# Altium PCB HedefProjem.PcbDoc (part 1 of 2) (continued)
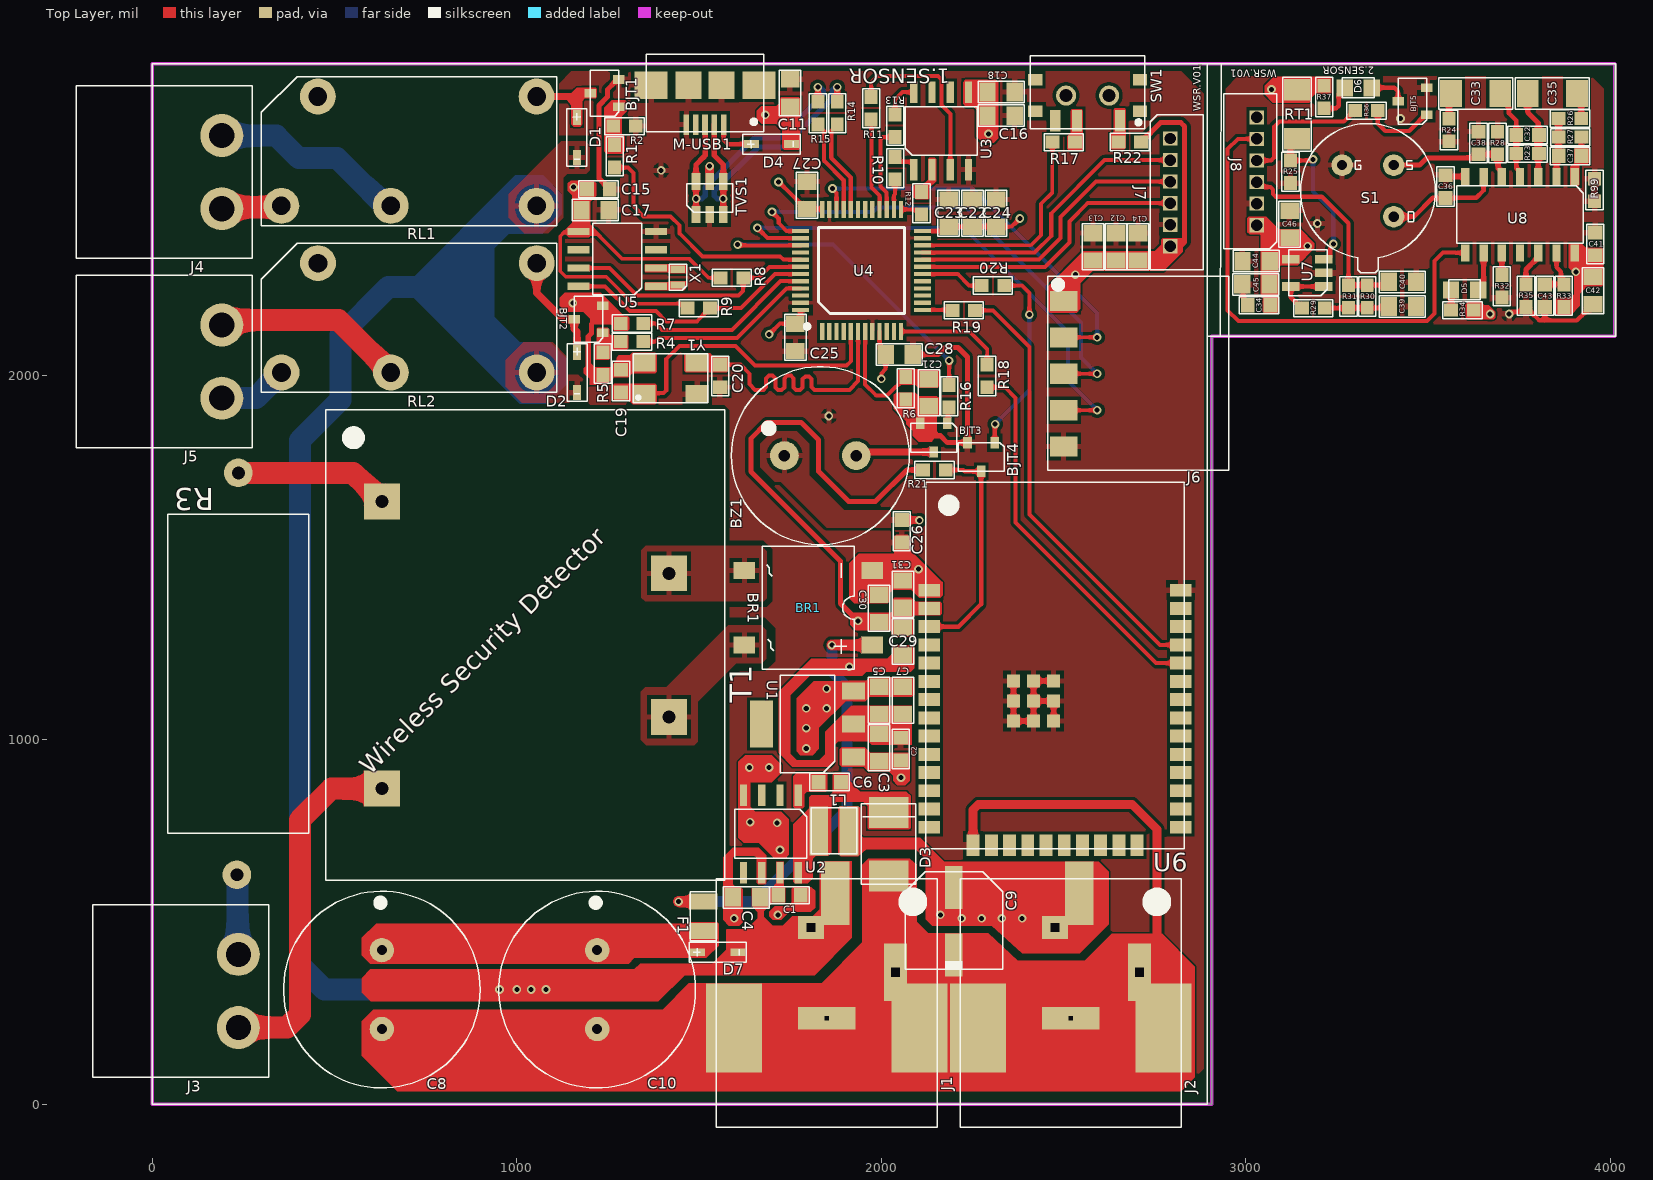
[diagram p0: Top Layer view]
## Components (designator, comment, footprint, x,y, rotation, side; value= is the part's Value field where it differs from the comment) (continued)
R6 "RC0603JR-07100RL" RES_0603 2066.93,1964.57 r0 top
R7 "RC0603JR-07100RL" RES_0603 1316,2142 r270 top
R8 "RC0603JR-074K7L" RES_0603 1590,2267 r90 top
R9 "RC0603JR-074K7L" RES_0603 1499,2184 r90 top
R10 "RC0603JR-07100RL" RES_0603 2038,2568 r0 top
R11 "RC0603JR-07100RL" RES_0603 1972,2732 r0 top
R12 "RC0603JR-07100RL" RES_0603 2110,2472 r0 top
R13 "RC0603JR-07100RL" RES_0603 2038,2684 r0 top
R14 "RC0603JR-0715RL" RES_0603 1879,2719 r0 top
R15 "RC0603JR-0715RL" RES_0603 1826,2719 r0 top
R16 "RC0603JR-07100RL" RES_0603 2186,1942 r180 top
R17 "RC0603JR-07100RL" RES_0603 2500.15,2639.37 r270 top
R18 "RC0603JR-07100RL" RES_0603 2290,1998 r0 top
R19 "RC0603JR-07100RL" RES_0603 2226,2178 r90 top
R20 "RC0603JR-07100RL" RES_0603 2306,2246 r270 top
R21 "RC0603FR-101KL" RES_0603 2145.67,1740.16 r270 top
R22 "RC0603JR-07100RL" RES_0603 2681,2640 r270 top
R23 "RC0603JR-07560KL" RES_0603 3772.48,2607.72 r270 top
R24 "RC0201FR-0710KL" RES_0603 3557.03,2672.58 r0 top
R25 "RC0201FR-0710KL" RES_0603 3122,2558 r0 top
R26 "RC0201FR-0710KL" RES_0603 3888.72,2704.08 r90 top
R27 "RC0603JR-07560KL" RES_0603 3889.21,2652.9 r270 top
R28 "RC0603JR-0743KL" RES_0603 3690,2637 r180 top
R29 "RC0603FR-101KL" RES_0603 3185,2184 r270 top
R30 "RC0603JR-07220KL" RES_0603 3332.68,2215.89 r0 top
R31 "RC0603JR-07220KL" RES_0603 3281.18,2215.89 r0 top
R32 "RC0603JR-070RL" RES_0603 3702,2244 r0 top
R33 "RC0603JR-07220KL" RES_0603 3872,2218 r180 top
R34 "RC0603FR-101KL" RES_0603 3593.93,2178.39 r270 top
R35 "RC0603JR-070RL" RES_0603 3768,2218 r0 top
R36 "RC0603FR-101KL" RES_0603 3330.65,2725.73 r270 top
R37 "RC0603JR-07100RL" RES_0603 3214.51,2763.14 r0 top
R99 "RC0603JR-070RL" RES_0603 3956,2508 r0 top
RL1 "ALQ1F05" ALQ1F05 704.33,2614.57 r180 top
RL2 "ALQ1F05" ALQ1F05 704.72,2157.48 r180 top
RT1 "TFPT1206L1002FM" RES_1206 3139.7,2715.89 r180 top
S1 "LHI 878/3902" "LHI 878/3902 - PYD 1388 / 708" 3334.74,2505.42 r0 top
SW1 "EG1215AA" EG1215AA 2565.63,2754.32 r0 top
T1 "BV302S12010-ZU" BV302S 1023.62,1259.84 r270 top
TVS1 "USBLC6-2SC6" SOT23-6L 1529,2485.72 r0 top
U1 "AP7361-33E-13" SOT223 1797.24,1043.31 r90 top
U2 "LM2675MX-12/NOPB" SOIC8 1696.85,742.13 r180 top
U3 "MAX6662MSA+T" SOIC8 2164,2670 r0 top
U4 "STM32L151C8T6A" LQFP48 1945.86,2287.31 r0 top
U5 "M41T0M6F" SOIC8 1275.59,2318.9 r90 top
U6 "ESP32-WROOM-32U (8MB)" ESP32_32U 2476.38,1060.73 r0 top
U7 "OPA314AIDBVR" SOT23-5 3168.28,2280.6 r90 top
U8 "NCS36000DRG" SOIC14 3751.91,2440.3 r180 top
X1 "ABS05-32.768KHZ-T" ABS05 1442,2269 r0 top
Y1 "ECS-160-20-30B-TR" SMD5032 1422,1992 r0 top

## Footprints (in the part's own frame and the unit in brackets; to place one, negate y for a bottom-side part, rotate by r counter-clockwise, add the part's x,y. Pads: shape width x height; smd on the part's side, far side on the other; paste and mask are expansions set on the pad)
1206(3216) [mm]
  rect 1.1x2 smd mask+0.05: 1(-1.025,0) 2(1.025,0)
  silkscreen extent -1.7,-0.9 1.7,0.9, body extent -1.55,-0.77 1.55,0.77, height 0.56
64800611622 [mm]
  rect 1x1 hole 0.8 mask+0.05: 1(-3.75,0) 2(-2.25,0) 3(-0.75,0) 4(0.75,0) 5(2.25,0) 6(3.75,0)
  silkscreen extent -5.4,-1.4 5.4,2.3, body extent -5.25,-1.3 5.25,2.2, height 4.75
ABS05 [mm]
  rect 1x0.5 smd mask+0.05: 1(0,-0.55) 2(0,0.55)
  silkscreen extent -0.6,-0.9 0.6,0.9, body extent -0.5,-0.8 0.5,0.8, height 0.5
ALQ1F05 [mm]
  round 2.5 hole 1.3 mask+0.05: 1(6.35,-3.81) 2(1.27,3.81) 3(8.89,3.81) 4(-8.89,3.81) 5(-8.89,-3.81)
  silkscreen extent -10.3,-5.2 10.3,5.2, body extent -10,-5 10,5, height 15.7
BV302S [mm]
  rect 2.5x2.5 hole 0.9 mask+0.05: 1(-10,-10) 5(10,-10) 7(5,10) 9(-5,10)
  silkscreen extent -16.4,-13.9 16.4,13.9, body extent -16.25,-13.75 16.25,13.75, height 22.2
CAP_0603 [mm]
  rect 1x0.965 smd mask+0.05: 1(0,-0.787) 2(0,0.788)
  silkscreen extent -0.6,-1.37 0.61,1.37, body extent -0.51,-1.05 0.52,1.05, height 0.85
CAP_0805 [mm]
  rect 1.3x1.14 smd mask+0.05: 1(0,-0.95) 2(0,0.95)
  silkscreen extent -0.75,-1.6 0.75,1.6, body extent -0.68,-1.3 0.68,1.3, height 1
CAP_1206 [mm]
  rect 1.9x1.52 smd mask+0.05: 1(0,-1.71) 2(0,1.71)
  silkscreen extent -1.1,-2.57 1.1,2.57, body extent -0.98,-1.97 0.98,1.97, height 1.4
CMI-1295IC [mm]
  round 2 hole 0.8 mask+0.05: 1(0,2.5) 2(0,-2.5)
  silkscreen extent -6.2,-6.2 6.2,6.2, body extent -6.1,-6.1 6.1,6.1, height 9.8
DB105STR [mm]
  rect 1.2x1.5 smd mask+0.05: 1(2.6,-4.45) 2(2.6,4.45) 3(-2.6,4.45) 4(-2.6,-4.45)
  silkscreen extent -4.3,-3.2 4.3,3.2, body extent -4.16,-5.2 4.16,5.2, height 2.76
EEV686M035A9HAA [mm]
  rect 3x1.2 smd mask+0.05: 1(2.3,0) 2(-2.4,0)
  silkscreen extent -3.4,-3.4 3.4,3.4, body extent -3.5,-3.31 3.5,3.3, height 8.9
EG1215AA [mm]
  rect 0.7x1.5 smd mask+0.05: 1(2.25,-1.425) 2(-0.75,-1.425) 3(-2.25,-1.425)
  rect 1x0.8 smd mask+0.05: 4(-3.65,-0.775) 5(-3.65,1.425) 6(3.65,1.425) 7(3.65,-0.775)
  round 1.4 hole 0.92 mask+0.05: a(-1.5,0.325) a(1.5,0.325)
  silkscreen extent -4,-2 4,3.1, body extent -3.85,-1.87 3.85,3.03, height 1.4
ESH477M050AH4AA [mm]
  round 1.7 hole 0.7 mask+0.05: 1(0,-2.75) 2(0,2.75)
  silkscreen extent -6.85,-6.85 6.85,6.85, body extent -6.75,-6.75 6.75,6.75, height 22.11
ESP32_32U [mm]
  rect 1.5x0.9 smd mask+0.05: 1(-8.75,8.877) 2(-8.75,7.607) 3(-8.75,6.337) 4(-8.75,5.067) 5(-8.75,3.797) 6(-8.75,2.527) 7(-8.75,1.257) 8(-8.75,-0.013) 9(-8.75,-1.283) 10(-8.75,-2.553) 11(-8.75,-3.823) 12(-8.75,-5.093) 13(-8.75,-6.363) 14(-8.75,-7.633) 25(8.75,-7.633) 26(8.75,-6.363) 27(8.75,-5.093) 28(8.75,-3.823) 29(8.75,-2.553) 30(8.75,-1.283) 31(8.75,-0.013) 32(8.75,1.257) 33(8.75,2.527) 34(8.75,3.797) 35(8.75,5.067) 36(8.75,6.337) 37(8.75,7.607) 38(8.75,8.877)
  rect 0.9x1.5 smd mask+0.05: 15(-5.71,-8.877) 16(-4.44,-8.877) 17(-3.17,-8.877) 18(-1.9,-8.877) 19(-0.63,-8.877) 20(0.64,-8.877) 21(1.91,-8.877) 22(3.18,-8.877) 23(4.45,-8.877) 24(5.72,-8.877)
  rect 0.9x0.9 smd mask+0.05: 39(-2.893,-0.24) 39(-2.893,1.16) 39(-2.893,2.56) 39(-1.493,-0.24) 39(-1.493,1.16) 39(-1.493,2.56) 39(-0.093,-0.24) 39(-0.093,1.16) 39(-0.093,2.56)
  silkscreen extent -9,-9.13 9,16.4, body extent -9,-9.13 9,16.37, height 2.85
IND_1212 [mm]
  rect 1.3x3.4 smd mask+0.05: 1(-1.05,0) 2(1.05,0)
  silkscreen extent -1.6,-1.6 1.6,1.6, body extent -1.5,-1.5 1.5,1.5, height 1.6
LED_0805_GREEN [mm]
  rect 1.2x1.14 smd mask+0.05: 1(0,-0.95) 2(0,0.95)
  silkscreen extent -0.69,-1.1 0.7,1.1, body extent -0.63,-1 0.63,1, height 1.2
LED_0805_RED [mm]
  rect 1.2x1.14 smd mask+0.05: 1(0,-0.95) 2(0,0.95)
  silkscreen extent -0.7,-1.1 0.7,1.1, body extent -0.63,-1 0.63,1, height 0.8
"LHI 878/3902 - PYD 1388 / 708" [mm]
  round 1.5 hole 0.7 mask+0.05: 1(1.796,-1.796) 2(1.796,1.796) 3(-1.796,1.796)
  silkscreen extent -4.7,-5.71 4.7,4.7, body extent -4.6,-5.6 4.6,4.6, height 6
LQFP48 [mm] "7mmx7mm"
  rect 0.3x1.2 smd mask+0.05: 1(-2.75,-4.25) 2(-2.25,-4.25) 3(-1.75,-4.25) 4(-1.25,-4.25) 5(-0.75,-4.25) 6(-0.25,-4.25) 7(0.25,-4.25) 8(0.75,-4.25) 9(1.25,-4.25) 10(1.75,-4.25) 11(2.25,-4.25) 12(2.75,-4.25) 25(2.75,4.25) 26(2.25,4.25) 27(1.75,4.25) 28(1.25,4.25) 29(0.75,4.25) 30(0.25,4.25) 31(-0.25,4.25) 32(-0.75,4.25) 33(-1.25,4.25) 34(-1.75,4.25) 35(-2.25,4.25) 36(-2.75,4.25)
  rect 1.2x0.3 smd mask+0.05: 13(4.25,-2.75) 14(4.25,-2.25) 15(4.25,-1.75) 16(4.25,-1.25) 17(4.25,-0.75) 18(4.25,-0.25) 19(4.25,0.25) 20(4.25,0.75) 21(4.25,1.25) 22(4.25,1.75) 23(4.25,2.25) 24(4.25,2.75) 37(-4.25,2.75) 38(-4.25,2.25) 39(-4.25,1.75) 40(-4.25,1.25) 41(-4.25,0.75) 42(-4.25,0.25) 43(-4.25,-0.25) 44(-4.25,-0.75) 45(-4.25,-1.25) 46(-4.25,-1.75) 47(-4.25,-2.25) 48(-4.25,-2.75)
  silkscreen extent -3.95,-4.05 3,3, body extent -4.5,-4.5 4.5,4.5, height 1.49
MICRO_B_USB [mm]
  rect 0.4x1.4 smd: 1(-1.3,0.5) 2(-0.65,0.5) 3(0,0.5) 4(0.65,0.5) 5(1.3,0.5)
  rect 1.8x1.9 smd: 6(1.15,-2.25) 7(-1.15,-2.25)
  rect 2.3x1.9 smd: 8(3.75,-2.25) 9(-3.75,-2.25)
  silkscreen extent -4.1,-4.4 4.1,1, body extent -4.03,-4.3 4.03,0.9, height 2.75
PINHEADER1X5_RA [mm]
  rect 1.4x1.91 smd mask+0.05: 1(-5.08,0) 2(-2.54,0) 3(0,0) 4(2.54,0) 5(5.08,0)
  silkscreen extent -6.78,-1.1 6.71,11.5, body extent -6.6,-0.57 6.6,11.37, height 2.41
PJ-037AH-SMT-TR [mm]
  rect 4.4x2 smd paste-2539.97 mask+0.05: 1(-4.7,0.6)
  rect 1.6x1.8 hole 0.6 square mask+0.05: 1(-2.303,-1.097)
  rect 1.6x4 hole 0.3 square mask+0.05: 2(4.007,0.007)
  rect 6.2x3.9 smd mask+0.05: 2(4.7,6.45) 3(4.7,-6.45)
  rect 4x1.6 hole 0.6 square mask+0.05: 3(0.801,4.788)
  silkscreen extent -5.7,-7.7 11.6,7.7, body extent -5.6,-7.6 11.5,7.6, height 11.2
RES_0603 [mm]
  rect 0.9x0.965 smd mask+0.05: 1(0,-0.787) 2(0,0.788)
  silkscreen extent -0.6,-1.36 0.6,1.36, body extent -0.49,-1 0.49,0.98, height 0.48
RES_1206 [mm]
  rect 1.8x1.52 smd mask+0.05: 1(0,-1.71) 2(0,1.71)
  silkscreen extent -1,-2.57 1,2.57, body extent -0.94,-1.98 0.94,1.98, height 0.65
RES_AXIAL_W [mm]
  round 2 hole 0.9 mask+0.05: 1(-14,0.1) 2(14,0)
  silkscreen extent -11.1,-4.9 11.1,4.9, body extent -14.4,-4.82 14.4,4.83, height 9.75
"SMB _CASE" [mil]
  rect 107.99x85 smd mask+1.97: 1(0,-87.01) 2(0,87.01)
  silkscreen extent -75,-110 75,110, body extent -70,-107 70,107, height 91
SMD5032 [mm]
  rect 1.6x1.25 smd mask+0.05: 1(-1.85,-1.1) 2(1.85,-1.1) 3(1.85,1.1) 4(-1.85,1.1)
  silkscreen extent -2.6,-1.7 2.6,1.7, body extent -2.5,-1.6 2.44,1.6, height 0.85
SOD323F [mm]
  rect 0.55x1.05 smd mask+0.05: 1(0,-1.4) 2(0,1.4)
  silkscreen extent -0.7,-2 0.7,2, body extent -0.67,-1.25 0.67,1.25, height 1
SOIC8 [mm]
  rect 0.5x1.5 smd mask+0.05: 1(-1.905,-2.7) 2(-0.635,-2.7) 3(0.635,-2.7) 4(1.905,-2.7) 5(1.905,2.7) 6(0.635,2.7) 7(-0.635,2.7) 8(-1.905,2.7)
  silkscreen extent -2.5,-1.7 2.5,1.7, body extent -2.45,-3 2.45,3, height 1.8
SOIC14 [mm]
  rect 0.58x1.18 smd mask+0.05: 1(-3.81,-2.66) 2(-2.54,-2.66) 3(-1.27,-2.66) 4(0,-2.66) 5(1.27,-2.66) 6(2.54,-2.66) 7(3.81,-2.66) 8(3.81,2.66) 9(2.54,2.66) 10(1.27,2.66) 11(0,2.66) 12(-1.27,2.66) 13(-2.54,2.66) 14(-3.81,2.66)
  silkscreen extent -4.4,-2 4.4,2, body extent -4.4,-3 4.4,3, height 1.8
SOT23-5 [mm]
  rect 0.6x1.2 smd mask+0.05: 1(-0.95,-1.15) 2(0,-1.15) 3(0.95,-1.15) 4(0.95,1.15) 5(-0.95,1.15)
  silkscreen extent -1.6,-1.4 1.6,1.31, body extent -1.5,-1.25 1.5,1.25, height 1.15
SOT23-6L [mm]
  rect 0.6x1.2 smd mask+0.05: 1(-0.95,-1.15) 2(0,-1.15) 3(0.95,-1.15) 4(0.95,1.15) 5(0,1.15) 6(-0.95,1.15)
  silkscreen extent -1.6,-1 1.6,1, body extent -1.52,-1.5 1.52,1.5, height 1.45
SOT223 [mm]
  rect 1.2x1.6 smd mask+0.05: 1(-2.3,-3.2) 2(0,-3.2) 3(2.3,-3.2)
  rect 3.3x1.6 smd mask+0.05: 4(0,3.2)
  silkscreen extent -3.4,-1.9 3.4,1.9, body extent -3.35,-3.65 3.35,3.65, height 1.85
SOT-23F [mm]
  rect 0.6x0.8 smd mask+0.05: 1(0.95,1) 2(-0.95,1) 3(0,-1)
  silkscreen extent -1.6,-1 1.6,1, body extent -1.45,-1.2 1.45,1.2, height 1.01
TBP01R1-508 [mm]
  round 3 hole 1.75 mask+0.05: 1(-2.55,0) 2(2.55,0)
  silkscreen extent -6,-2.13 6,10.13, body extent -5.88,-2 5.88,10, height 8.55

## Part data
BJT1 BJT2 BJT3 BJT4 BJT5: "TRANS NPN 40V 0.2A SMD SOT23-3", Case/Package=SOT-23, Collector Base Voltage (VCBO)=60V, Collector Emitter Breakdown Voltage=40V, Collector Emitter Saturation Voltage=300mV, Continuous Collector Current=200mA, Emitter Base Voltage (VEBO)=6V, Frequency=300MHz, Manufacturer="Diodes Zetex", Max Operating Temperature=150°C, Max Power Dissipation=300mW, Min Operating Temperature=-55°C, Package Quantity=3000, Power Dissipation=350mW, Supplier Part Number 1=MMBT3904-FDITR-ND, Category=BJTs, Collector Emitter Voltage (VCEO)=40V, Collector-emitter Voltage-Max=300mV, ComponentLink1Description=https://datasheet.ciiva.com/11201/ds30036-11201778.pdf?src-supplier=Avnet, ComponentLink1URL=https://datasheet.ciiva.com/11201/ds30036-11201778.pdf?src-supplier=Avnet, ComponentLink2Description=https://datasheet.ciiva.com/15138/getdatasheetpartid-53265-15138780.pdf?src-supplier=Verical, ComponentLink2URL=https://datasheet.ciiva.com/15138/getdatasheetpartid-53265-15138780.pdf?src-supplier=Verical, ComponentLink3Description=https://datasheet.ciiva.com/22711/1915516-22711750.pdf?src-supplier=Element14, ComponentLink3URL=https://datasheet.ciiva.com/22711/1915516-22711750.pdf?src-supplier=Element14, ComponentLink4Description=https://datasheet.ciiva.com/11198/ds30036-11198999.pdf?src-supplier=Avnet, ComponentLink4URL=https://datasheet.ciiva.com/11198/ds30036-11198999.pdf?src-supplier=Avnet, ComponentLink5Description=https://datasheet.ciiva.com/6361/ds30036-6361256.pdf?src-supplier=Digi-Key, ComponentLink5URL=https://datasheet.ciiva.com/6361/ds30036-6361256.pdf?src-supplier=Digi-Key, ComponentLink6Description=https://datasheet.ciiva.com/6361/ds30036-6361254.pdf?src-supplier=Digi-Key, ComponentLink6URL=https://datasheet.ciiva.com/6361/ds30036-6361254.pdf?src-supplier=Digi-Key, Contact Plating=Tin,Matte, Designed by=M.C, Element Configuration=Single, Gain Bandwidth Product=300MHz, Height=1mm, hFE Min=100, Lead Free="Lead Free", Length=3.05mm, Manufacturer Part Number=MMBT3904-7-F, Max Breakdown Voltage=40V, Max Collector Current=200mA, Max Frequency=300MHz, Mount="Surface Mount", Number of Elements=1, Number of Pins=3, Packaging="Tape and Reel", Polarity=NPN, Pricing 1="3000=0,02271, 6000=0,02048, 15000=0,01781, 30000=0,01603, 75000=0,01425 (USD)", Radiation Hardening=No, REACH SVHC="No SVHC", RoHS=Yes, RoHS Compliant=Yes, Series=-, Supplier 1=Digi-Key, Transition Frequency=300MHz, Voltage Rating (DC)=40V, Weight=0.000282oz, Width=1.4mm
BR1: "BRIDGE RECT 1PHASE 600V 1A DB-S", Manufacturer="Sangdest Microelectronics", Max Current=1A, Operating Library=600V, Supplier Part Number 1=1655-1821-1-ND, Case/Package=DB105STR, Designed by=M.C, Manufacturer Part Number=DB105STR, Pricing 1="1=0,45000, 10=0,33600, 100=0,20900, 500=0,14300 (USD)", RoHS=No, Stock 1=1932, Supplier 1=Digi-Key
BZ1: "Buzzers Indicator, Internally Driven Magnetic 5 V 30mA 2.4kHz 85dB @ 5V, 10cm Through Hole PC Pins", Case/Package=CMI-1295IC, Manufacturer="CUI Devices", Category="Audio Products", Designed by=M.C, Manufacturer Part Number=CMI-1295IC-0585T, Pricing 1="1=0,83580, 10=0,81870, 25=0,79320, 50=0,76310, 100=0,73260, 300=0,69860, 1=1,04980, 10=1,00960, 25=0,95200, 50=0,88810, 100=0,82700, 300=0,70560, 1000=0,65420, 5000=0,64090 (USD)", Pricing 2="1=1,05000, 10=1,00900, 25=0,96960, 50=0,91260, 100=0,85770, 500=0,73794, 1000=0,69160 (USD)", RoHS=No, Stock 1=560, Stock 2=688, Supplier 1="Arrow Electronics", Supplier 2=Digi-Key, Supplier Part Number 1=CMI-1295IC-0585T, Supplier Part Number 2=2223-CMI-1295IC-0585T-ND
C1 C2 C15 C34: library part "CAP 100nF 0603", "Multilayer Ceramic Capacitors (MLCC) - SMD/SMT 50volts 0.1uF X7R 10%", Capacitance=100nF, Case Code (Metric)=1608, Case Code (Imperial)=0603, Dielectric=X7R, Dielectric Material=Ceramic, Manufacturer=KEMET, Max Operating Temperature=125°C, Min Operating Temperature=-55°C, Package Quantity=1, Supplier Part Number 1=399-C0603C104K5RAC7867TR-ND, Tolerance=10%, Voltage=50V, Case/Package=0603, Category="Ceramic Capacitors", ComponentLink1Description=https://datasheet.ciiva.com/7823/kem-c1002-x7r-smd-7823591.pdf?src-supplier=Element14, ComponentLink1URL=https://datasheet.ciiva.com/7823/kem-c1002-x7r-smd-7823591.pdf?src-supplier=Element14, ComponentLink2Description=https://datasheet.ciiva.com/7823/kem-c1002-x7r-smd-7823592.pdf?src-supplier=Element14, ComponentLink2URL=https://datasheet.ciiva.com/7823/kem-c1002-x7r-smd-7823592.pdf?src-supplier=Element14, ComponentLink3Description=https://datasheet.ciiva.com/5999/kem-c1002-x7r-smd-5999400.pdf?src-supplier=Farnell, ComponentLink3URL=https://datasheet.ciiva.com/5999/kem-c1002-x7r-smd-5999400.pdf?src-supplier=Farnell, ComponentLink4Description=https://datasheet.ciiva.com/28645/1851736-28645640.pdf?src-supplier=Element14, ComponentLink4URL=https://datasheet.ciiva.com/28645/1851736-28645640.pdf?src-supplier=Element14, ComponentLink5Description=https://datasheet.ciiva.com/14585/70095383-14585209.pdf?src-supplier=Allied+Electronics, ComponentLink5URL=https://datasheet.ciiva.com/14585/70095383-14585209.pdf?src-supplier=Allied+Electronics, ComponentLink6Description=https://datasheet.ciiva.com/14602/70095383-14602583.pdf?src-supplier=Allied+Electronics, ComponentLink6URL=https://datasheet.ciiva.com/14602/70095383-14602583.pdf?src-supplier=Allied+Electronics, Contact Plating=Tin,Matte, Depth=0.8mm, Designed by=M.C, Dissipation Factor=2.5%, Height=0.8mm, Lead Pitch=0.7mm, Length=0.063inch, Manufacturer Part Number=C0603C104K5RACTU, Mount="Surface Mount", Number of Pins=2, Packaging="Tape and Reel", Pricing 1="4000=0,01852 (USD)", Pricing 2="1000=0,03000 (GBP)", Radiation Hardening=No, REACH SVHC="No SVHC", RoHS=Yes, RoHS Compliant=Yes, Series="SMD Comm X7R", Stock 1=6388973, Stock 2=55000, Supplier 1=Digi-Key, Supplier 2=RSComponents, Supplier Part Number 2=8015347, Termination=SMD/SMT, Thickness=0.034inch, Voltage Rating=50V, Voltage Rating (DC)=50V, Width=0.031inch
C3 C4 C7 C14 C16 C17 C23 C30 C40 C42 C46: library part "CAP 1uF 0805", "SAMSUNG ELECTRO-MECHANICS - CL21B105KBFNNNE - SMD Multilayer Ceramic Capacitor, 1 µF, 50 V, 0805 [2012 Metric], ± 10%, X7R, CL Series", Capacitance=1uF, Case Code (Metric)=2012, Case Code (Imperial)=0805, Dielectric=X7R, Manufacturer=Samsung, Max Operating Temperature=125°C, Min Operating Temperature=-55°C, Package Quantity=1, Supplier Part Number 1=1276-1029-2-ND, Tolerance=10%, Voltage=50V, Case/Package=0805, Category="Ceramic Capacitors", ComponentLink1Description=https://datasheet.ciiva.com/25800/cl21b105kbfnnne-25800291.pdf?src-supplier=Digi-Key, ComponentLink1URL=https://datasheet.ciiva.com/25800/cl21b105kbfnnne-25800291.pdf?src-supplier=Digi-Key, ComponentLink2Description=https://datasheet.ciiva.com/16449/cl21b105kbfnnne-16449003.pdf?src-supplier=Future+Electronics, ComponentLink2URL=https://datasheet.ciiva.com/16449/cl21b105kbfnnne-16449003.pdf?src-supplier=Future+Electronics, ComponentLink3Description=https://datasheet.ciiva.com/26838/getdatasheetpartid-354075-26838668.pdf?src-supplier=Verical, ComponentLink3URL=https://datasheet.ciiva.com/26838/getdatasheetpartid-354075-26838668.pdf?src-supplier=Verical, Construction=Flat, Depth=1.25mm, Designed by=M.C, Height=1.25mm, Length=2mm, Manufacturer Part Number=CL21B105KBFNNNE, Mount="Surface Mount", Packaging="Tape and Reel", Pricing 1="2000=0,02295 (USD)", Radiation Hardening=No, RoHS=Yes, RoHS Compliant=Yes, Series=CL, Supplier 1=Digi-Key, Thickness=0.053inch, Voltage Rating=50V, Width=0.049inch
C5 C11 C12 C13 C22 C29 C39 C44 C45: library part "CAP 4.7uF 0805", "SAMSUNG ELECTRO-MECHANICS - CL21A475KAQNNNE - SMD Multilayer Ceramic Capacitor, 4.7 µF, 25 V, 0805 [2012 Metric], ± 10%, X5R, CL Series", Capacitance=4.7uF, Case Code (Metric)=2012, Case Code (Imperial)=0805, Dielectric=X5R, Manufacturer=Samsung, Max Operating Temperature=85°C, Min Operating Temperature=-55°C, Package Quantity=1, Supplier Part Number 1=1276-1244-2-ND, Tolerance=10%, Voltage Rating=25V, Case/Package=0805, Category="Ceramic Capacitors", ComponentLink1Description=https://datasheet.ciiva.com/25798/cl21a475kaqnnne-25798882.pdf?src-supplier=Digi-Key, ComponentLink1URL=https://datasheet.ciiva.com/25798/cl21a475kaqnnne-25798882.pdf?src-supplier=Digi-Key, Construction=Flat, Depth=1.25mm, Designed by=M.C, Height=1.25mm, Lead Free="Lead Free", Length=2mm, Manufacturer Part Number=CL21A475KAQNNNE, Mount="Surface Mount", Packaging="Tape and Reel", Pricing 1="2000=0,02103 (USD)", Pricing 2="1=0,12000, 10=0,05700, 50=0,05700, 100=0,04100, 500=0,03000, 1000=0,02500, 2000=0,02300, 4000=0,01800, 10000=0,01600 (USD)", Radiation Hardening=No, RoHS=Yes, RoHS Compliant=Yes, Series=CL, Stock 2=6240, Supplier 1=Digi-Key, Supplier 2=Mouser, Supplier Part Number 2=187-CL21A475KAQNNNE, Thickness=0.055inch, Voltage Rating (DC)=25V, Width=0.049inch
C6 C32 C37: library part "CAP 10nF 0603", "WALSIN - 0603B103K500CT - CAP, 0.01µF, 50V, 10%, X7R, 0603", Capacitance=10nF, Case Code (Metric)=1608, Case Code (Imperial)=0603, Dielectric=X7R, Manufacturer="Walsin Technologies", Max Operating Temperature=125°C, Min Operating Temperature=-55°C, Package Quantity=4000, Supplier Part Number 1=1292-1386-1-ND, Tolerance=10%, Voltage Rating=50V, Insulation Resistance=10GR, Case/Package=0603, Category="Ceramic Capacitors", ComponentLink1Description=https://datasheet.ciiva.com/18161/getdatasheetpartid-87505-18161959.pdf?src-supplier=Verical, ComponentLink1URL=https://datasheet.ciiva.com/18161/getdatasheetpartid-87505-18161959.pdf?src-supplier=Verical, Depth=0.8mm, Designed by=M.C, Dissipation Factor=2.5%, Height=0.8mm, Lead Free="Lead Free", Length=1.6mm, Manufacturer Part Number=0603B103K500CT, Packaging="Tape and Reel", Pricing 1="1=0,10000, 10=0,02800, 50=0,01520, 100=0,01240, 500=0,00886, 1000=0,00696 (USD)", Radiation Hardening=No, REACH SVHC=Unknown, RoHS=Yes, RoHS Compliant=Yes, Stock 1=1056108, Supplier 1=Digi-Key, Termination=SMD/SMT, Voltage Rating (DC)=50V, Width=0.8mm
C8 C10: "Cap, 470UF, 50V, Alu Elec, Radial", Capacitance=470uF, Case/Package=Radial, Manufacturer=KEMET, Max Operating Temperature=105°C, Min Operating Temperature=-40°C, Supplier Part Number 1=399-15683-ND, Tolerance=20%, Voltage Rating=50V, ComponentLink1Description=https://api.kemet.com/component-edge/download/datasheet/ESH477M050AH4AA.pdf?src-supplier=Digi-Key, ComponentLink1URL=https://api.kemet.com/component-edge/download/datasheet/ESH477M050AH4AA.pdf?src-supplier=Digi-Key, Designed by=M.C, Life (Hours)=2000Hour, Manufacturer Part Number=ESH477M050AH4AA, Mount="Through Hole", Packaging=Bulk, Polarity=Polar, Pricing 1="1=0,67000, 10=0,47100, 50=0,35620, 100=0,31020, 500=0,22976, 1000=0,19530, 2500=0,18382, 5000=0,17233 (USD)", RoHS=Yes, RoHS Compliant=No, Supplier 1=Digi-Key
C9: "Cap Aluminum Lytic 68uF 35V 20% (6.3 X 7.7mm) SMD 280mA 2000h 105C T/R", Capacitance=68uF, Case/Package=Radial, Manufacturer=KEMET, Max Operating Temperature=105°C, Min Operating Temperature=-40°C, Package Quantity=1, Ripple Current=196mA, Supplier Part Number 1=399-6722-2-ND, Tolerance=20%, Voltage Rating=35V, Category="Aluminum Electrolytic Capacitors", ComponentLink1Description=https://datasheet.ciiva.com/5365/kem-a4002-eev-535332-5365784.pdf?src-supplier=Mouser, ComponentLink1URL=https://datasheet.ciiva.com/5365/kem-a4002-eev-535332-5365784.pdf?src-supplier=Mouser, Designed by=M.C, Height - Seated (Max)=0.315inch, Length=7.7mm, Life (Hours)=2000Hour, Manufacturer Part Number=EEV686M035A9HAA, Mount="Surface Mount", Packaging="Tape and Reel", Pricing 1="1000=0,17790 (USD)", RoHS=Yes, RoHS Compliant=Yes, Series=EEV, Stock 1=2000, Supplier 1=Digi-Key, Termination=SMD/SMT, Voltage Rating (DC)=35V, Impedance=340mR
C18 C21 C24 C25 C27 C28 C31: library part "CAP 100nF 0805", "Samsung Electro-Mechanics 100nF Multilayer Ceramic Capacitor (MLCC) 50 V 10% X7R dielectric CL max op. temp. +125C", Capacitance=100nF, Case Code (Metric)=2012, Case Code (Imperial)=0805, Dielectric=X7R, Manufacturer=Samsung, Max Operating Temperature=125°C, Min Operating Temperature=-55°C, Supplier Part Number 1=1276-1003-2-ND, Tolerance=10%, Voltage=50V, Case/Package=0805, Category="Ceramic Capacitors", ComponentLink1Description=https://datasheet.ciiva.com/25710/cl21b104kbcnnnc-25710182.pdf?src-supplier=Digi-Key, ComponentLink1URL=https://datasheet.ciiva.com/25710/cl21b104kbcnnnc-25710182.pdf?src-supplier=Digi-Key, ComponentLink2Description=https://datasheet.ciiva.com/29199/454152-da-01-en-vs-kondensator-0805-29199814.pdf?src-supplier=Conrad, ComponentLink2URL=https://datasheet.ciiva.com/29199/454152-da-01-en-vs-kondensator-0805-29199814.pdf?src-supplier=Conrad, Construction=Flat, Contact Plating=Tin, Depth=1.25mm, Designed by=M.C, Height=0.85mm, Lead Free="Lead Free", Length=2mm, Manufacturer Part Number=CL21B104KBCNNNC, Material=Ceramic, Mount="Surface Mount", Packaging="Tape and Reel", Pricing 1="4000=0,01050 (USD)", Pricing 2="1=0,11000, 10=0,03300, 50=0,03300, 100=0,02400, 500=0,01700, 1000=0,01300, 2000=0,01200, 4000=0,01100, 8000=0,00900, 10000=0,00900 (USD)", Radiation Hardening=No, RoHS=Yes, RoHS Compliant=Yes, Series=CL, Stock 2=787824, Supplier 1=Digi-Key, Supplier 2=Mouser, Supplier Part Number 2=187-CL21B104KBCNNNC, Thickness=0.037inch, Voltage Rating=50V, Voltage Rating (DC)=50V, Width=0.049inch
C19 C20: library part "CAP 20pF 0805", "SAMSUNG ELECTRO-MECHANICS - CL10C200JB8NNNC - SMD Multilayer Ceramic Capacitor, 20 pF, 50 V, 0603 [1608 Metric], ± 5%, C0G / NP0, CL Series", Capacitance=20pF, Case Code (Metric)=1608, Case Code (Imperial)=0603, Dielectric=C0G, Manufacturer=Samsung, Max Operating Temperature=125°C, Min Operating Temperature=-55°C, Package Quantity=1, Supplier Part Number 1=1276-1187-2-ND, Temperature Coefficient=300ppm/°C, Tolerance=5%, Voltage=50V, Case/Package=0603, Category="Ceramic Capacitors", ComponentLink1Description=https://datasheet.ciiva.com/26877/getdatasheetpartid-640634-26877974.pdf?src-supplier=Verical, ComponentLink1URL=https://datasheet.ciiva.com/26877/getdatasheetpartid-640634-26877974.pdf?src-supplier=Verical, ComponentLink2Description=https://datasheet.ciiva.com/26310/mlcc-catalogdownload2013-eng-26310315.pdf?src-supplier=Distrelec, ComponentLink2URL=https://datasheet.ciiva.com/26310/mlcc-catalogdownload2013-eng-26310315.pdf?src-supplier=Distrelec, Construction=Flat, Depth=0.8mm, Designed by=M.C, Height=0.8mm, Length=1.6mm, Manufacturer Part Number=CL10C200JB8NNNC, Mount="Surface Mount", Packaging="Tape and Reel", Pricing 1="4000=0,01024 (USD)", Radiation Hardening=No, RoHS=Yes, RoHS Compliant=Yes, Series=CL, Stock 1=299735, Supplier 1=Digi-Key, Thickness=0.035inch, Voltage Rating=50V, Width=0.031inch
C26 C36 C38 C41 C43: library part "CAP 100nf 0603_1", "CAP CER 100nF %10 0603 SMD", Case/Package=0603, Manufacturer=KEMET, Supplier Part Number 1=ALA7DF471CF450-ND, Capaticante=100nF, Designed by=M.C, Manufacturer Part Number=ALA7DF471CF450, Pricing 1="1120=5,49651 (USD)", RoHS=No, Supplier 1=Digi-Key
C33 C35: library part "CAP  33uF 1206", "Cap Ceramic 33uF 25V X5R 20% SMD 1206 85C T/R", Capacitance=33uF, Case Code (Metric)=3216, Case Code (Imperial)=1206, Dielectric=X5R, Dielectric Material=Ceramic, Manufacturer=TDK, Max Operating Temperature=85°C, Min Operating Temperature=-55°C, Package Quantity=1, Supplier Part Number 1=445-8046-2-ND, Tolerance=20%, Voltage Rating=25V, Case/Package=1206, Category="Ceramic Capacitors", ComponentLink1Description=https://datasheet.ciiva.com/24216/c3216x5r1e336m160ac-265051-24216512.pdf?src-supplier=Mouser, ComponentLink1URL=https://datasheet.ciiva.com/24216/c3216x5r1e336m160ac-265051-24216512.pdf?src-supplier=Mouser, ComponentLink2Description=https://datasheet.ciiva.com/6285/tdkmlcccaprange-6285278.pdf?src-supplier=Digi-Key, ComponentLink2URL=https://datasheet.ciiva.com/6285/tdkmlcccaprange-6285278.pdf?src-supplier=Digi-Key, Depth=1.6mm, Designed by=M.C, Lead Free="Lead Free", Length=3.2mm, Manufacturer Part Number=C3216X5R1E336M160AC, Mount="Surface Mount", Packaging="Tape and Reel", Pricing 1="2000=0,40250 (USD)", Pricing 2="5=0,84200, 50=0,51700, 250=0,45400, 500=0,39100, 1000=0,34400 (GBP)", REACH SVHC="No SVHC", Resistor Type=Ceramic, RoHS=Yes, RoHS Compliant=Yes, Series=C, Stock 2=10883, Supplier 1=Digi-Key, Supplier 2=Farnell, Supplier Part Number 2=2525171, Termination=SMD/SMT, Thickness=1.6mm, Voltage Rating (DC)=25V, Weight=0.000571oz, Width=0.063inch
D1 D2 D4 D7: "ON SEMICONDUCTOR - 1N4148WS - Small Signal Diode, Single, 75 V, 150 mA, 1 V, 4 ns", Average Rectified Current=150mA, Case/Package=SOD323F, Forward Voltage=1V, Manufacturer="ON Semiconductor / Fairchild", Max Forward Surge Current (Ifsm)=2A, Max Operating Temperature=150°C, Max Repetitive Reverse Voltage (Vrrm)=75V, Max Reverse Current=5uA, Min Operating Temperature=-55°C, Package Quantity=1, Power Dissipation=200mW, Supplier Part Number 1=7613476, Category="Rectifier Diodes", ComponentLink1Description=https://datasheet.ciiva.com/25968/1n914bws-25968945.pdf?src-supplier=Avnet+Europe, ComponentLink1URL=https://datasheet.ciiva.com/25968/1n914bws-25968945.pdf?src-supplier=Avnet+Europe, ComponentLink2Description=https://datasheet.ciiva.com/30479/0900766b810e1cd3-30479206.pdf?src-supplier=RSComponents, ComponentLink2URL=https://datasheet.ciiva.com/30479/0900766b810e1cd3-30479206.pdf?src-supplier=RSComponents, ComponentLink3Description=https://datasheet.ciiva.com/8300/1n914bws-8300360.pdf?src-supplier=Avnet, ComponentLink3URL=https://datasheet.ciiva.com/8300/1n914bws-8300360.pdf?src-supplier=Avnet, ComponentLink4Description=https://datasheet.ciiva.com/15208/getdatasheetpartid-127819-15208358.pdf?src-supplier=Verical, ComponentLink4URL=https://datasheet.ciiva.com/15208/getdatasheetpartid-127819-15208358.pdf?src-supplier=Verical, ComponentLink5Description=https://datasheet.ciiva.com/910/1n4148ws-910381.pdf?src-supplier=Digi-Key, ComponentLink5URL=https://datasheet.ciiva.com/910/1n4148ws-910381.pdf?src-supplier=Digi-Key, ComponentLink6Description=https://datasheet.ciiva.com/910/1n4148ws-910382.pdf?src-supplier=Digi-Key, ComponentLink6URL=https://datasheet.ciiva.com/910/1n4148ws-910382.pdf?src-supplier=Digi-Key, ComponentLink7Description=https://datasheet.ciiva.com/910/1n4148ws-910380.pdf?src-supplier=Digi-Key, ComponentLink7URL=https://datasheet.ciiva.com/910/1n4148ws-910380.pdf?src-supplier=Digi-Key, Contact Plating=Tin,Matte, Designed by=M.C, Element Configuration=Single, Forward Current=150mA, Height=1mm, Lead Free="Lead Free", Length=1.8mm, Manufacturer Part Number=1N4148WS, Max Reverse Voltage (DC)=75V, Mount="Surface Mount", Number of Pins=2, Packaging="Tape and Reel", Pricing 1="100=0,05900, 1000=0,03200, 3000=0,02400, 45000=0,02000, 100=0,04200, 1000=0,02300, 3000=0,01700, 45000=0,01400 (USD)", Pricing 2="1=0,25000, 10=0,20400, 100=0,10820, 500=0,07116, 1000=0,04838 (USD)", Radiation Hardening=No, REACH SVHC="No SVHC", Recovery Time=4ns, Reverse Recovery Time=4ns, Reverse Voltage=75V, RoHS=Yes, RoHS Compliant=Yes, Series=-, Stock 1=100, Supplier 1=RSComponents, Supplier 2=Digi-Key, Supplier Part Number 2=1N4148WSFSDKR-ND, Weight=0.0276g, Width=1.35mm